# Altium PCB mitosis.PcbDoc (part 1 of 3)
Units mm, origin at the board's own origin, x right, y up, seen from the top; angles counter-clockwise.
Board outline 134.15 x 115.33 mm, 2 copper layers (Top Layer, Bottom Layer), stack 1.671 mm thick; 32 components, 34 nets, 456 pads, 4 vias.
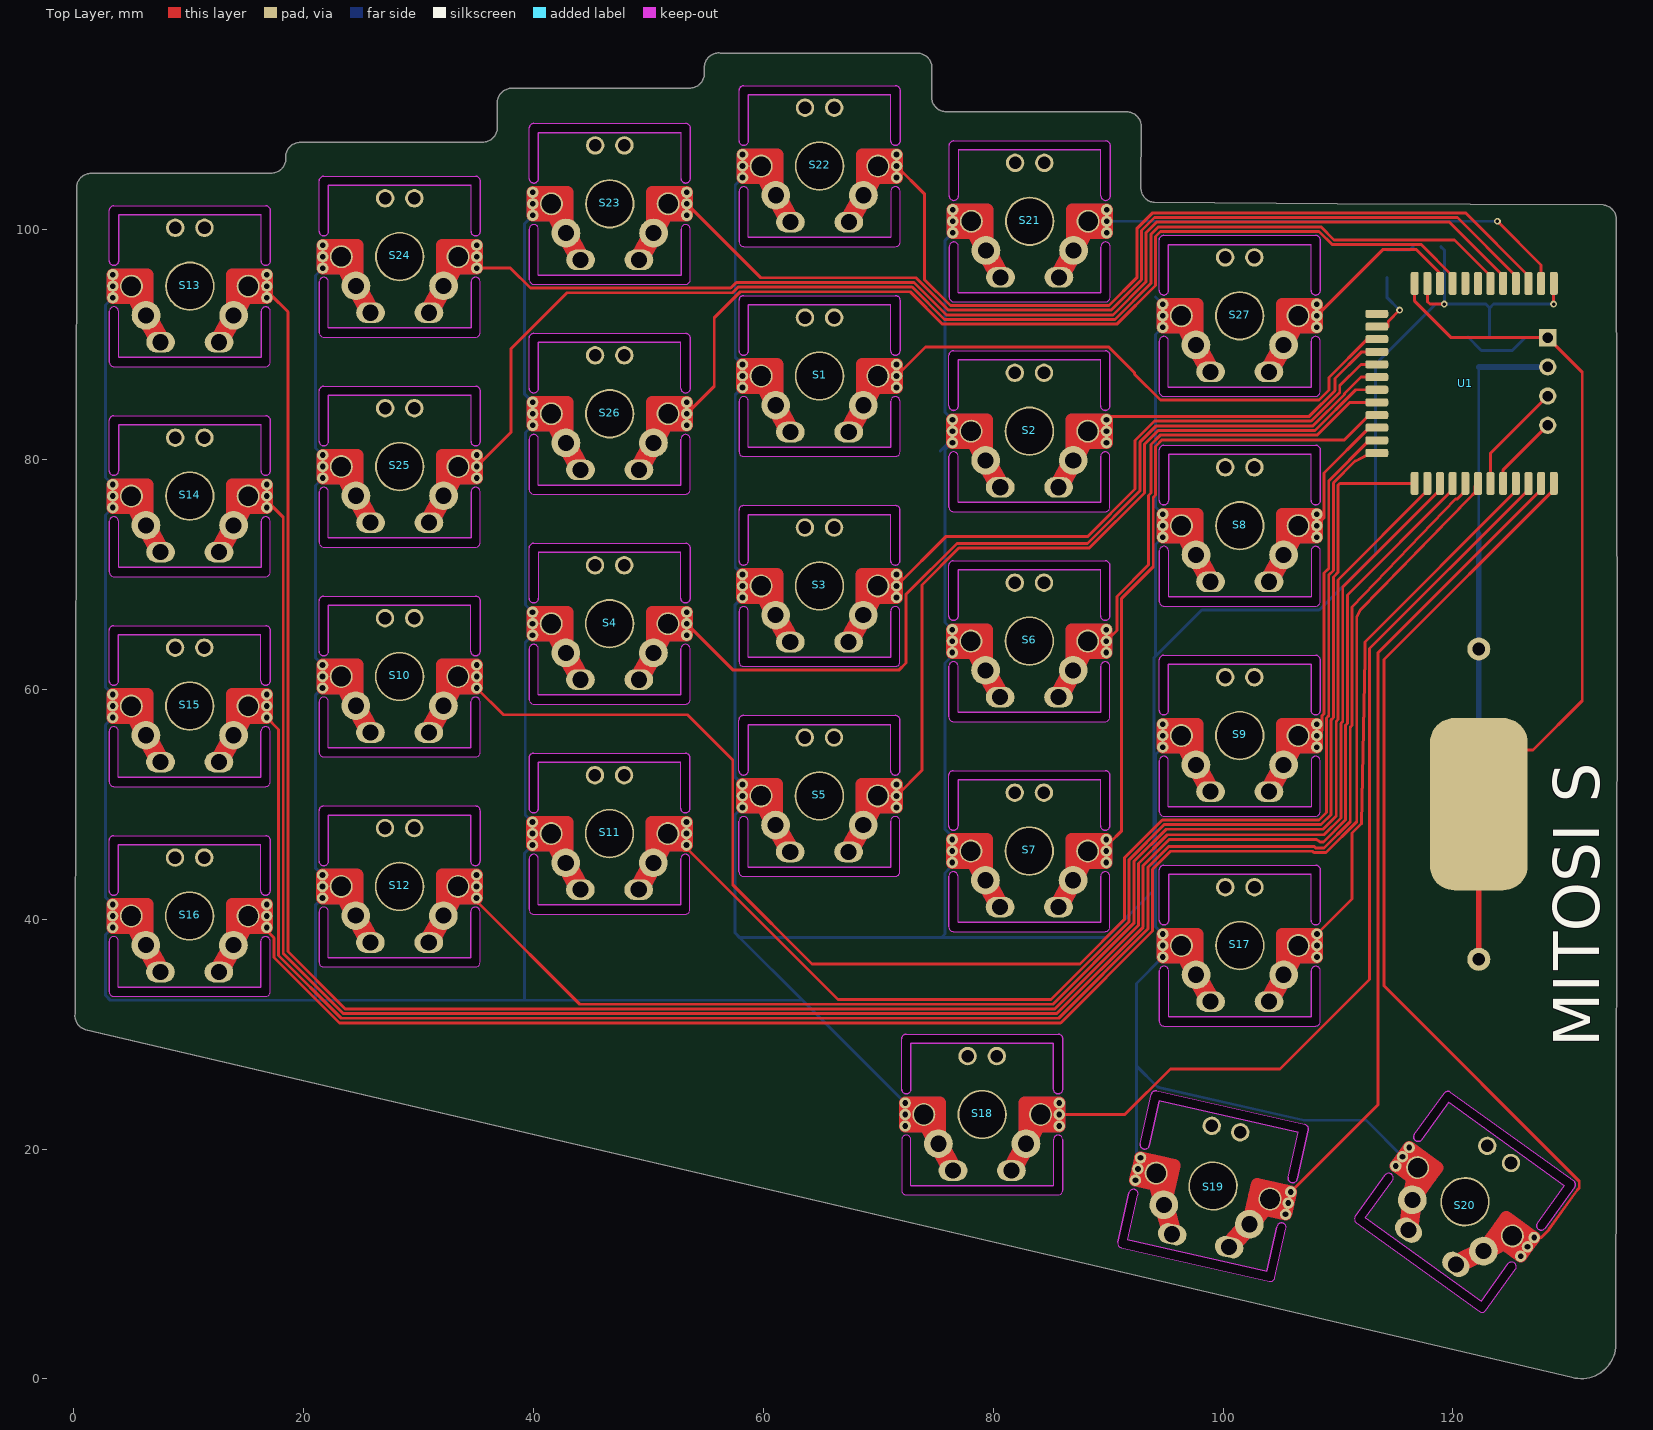
[diagram p0: Top Layer view]
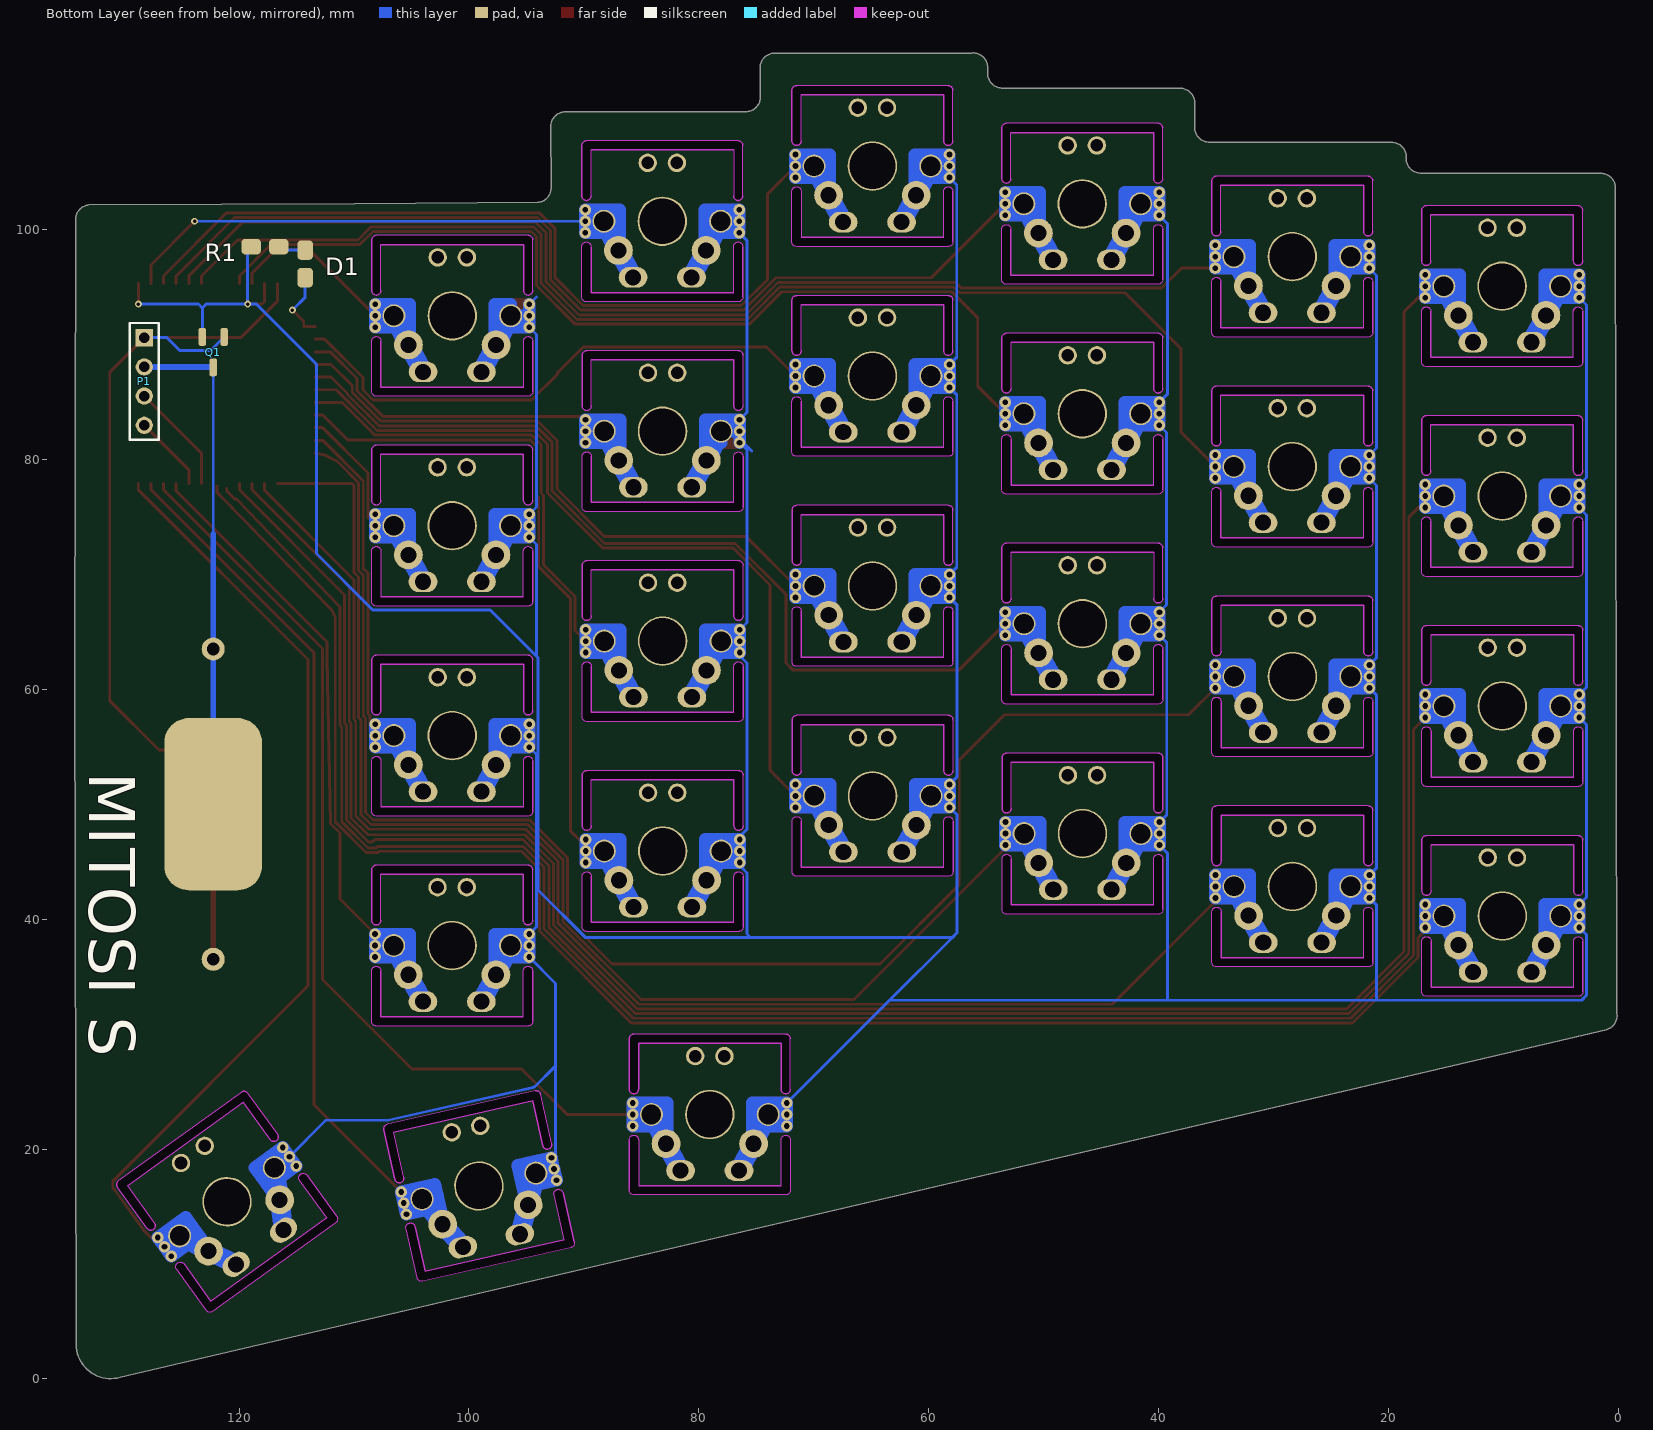
[diagram p1: Bottom Layer view, seen from below]

## Layer stack, top to bottom
Top Solder: solder mask 0.0102, Solder Resist, Dk 3.5
Top Layer: signal copper 0.0356
Dielectric1: core 1.6, FR-4, Dk 4.8
Bottom Layer: signal copper 0.0356
Bottom Solder: solder mask 0.0102, Solder Resist, Dk 3.5

## Board outline
1.051,30.376 cw(c1.396,31.598) 0.133,31.726 0.268,103.734 cw(c1.532,103.606) 1.66,104.869 17.076,104.899 ccw(c17.205,106.163) 18.468,106.034 18.468,106.434 cw(c19.732,106.306) 19.86,107.569 35.476,107.599 ccw(c35.605,108.863) 36.868,108.734 36.868,111.134 cw(c38.132,111.006) 38.26,112.269 53.476,112.299 ccw(c53.605,113.563) 54.868,113.434 54.883,114.208 cw(c56.146,114.08) 56.274,115.343 73.542,115.32 cw(c73.414,114.056) 74.677,113.928 74.659,111.641 ccw(c75.922,111.512) 75.794,110.249 91.742,110.22 cw(c91.614,108.956) 92.877,108.828 92.859,103.741 ccw(c94.122,103.612) 93.994,102.349 109.956,102.223 133.068,102.134 cw(c132.94,100.871) 134.203,100.742 134.277,61.828 134.168,2.734 cw(c131.168,3.039) 130.347,0.137

## Design rules (kind name [scope] priority, off if disabled: settings)
Clearance [All] p1: gap=0.152 ignorepadtopadclearanceinfootprint=FALSE except(0: Arc-Hole Track-Hole SMDPad-Hole THPad-Hole Via-Hole Fill-Hole Poly-Hole Region-Hole Text-Hole)
ComponentClearance nrf_clearance [(HasFootprint('Core51822 (B)'))] p1: gap=0 collisioncheckmode=3 verticalgap=0 showdistances=FALSE
ComponentClearance ComponentClearance_1 [All] p2: gap=0.254 collisioncheckmode=3 verticalgap=0.254 showdistances=FALSE
HoleSize [All] p1: absolutevalues=TRUE maxlimit=6.3 minlimit=0.3 maxpercent=80.000 minpercent=20.000
HoleToHoleClearance [All] p1: gap=0.29 allowstackedmicrovias=TRUE
MinimumSolderMaskSliver [All] p1: minsoldermaskwidth=0.089
PolygonConnect [All] p1: connectstyle=Relief reliefconductorwidth=0.254 reliefentries=4 polygonreliefangle="90 Angle" airgapwidth=0.254
RoomDefinition mitosis [InComponentClass('mitosis')] p1: confinementstyle=ConfineOut formatcopy=TRUE lockcomponents=FALSE outline -57.899,-76.736 -7.359,-81.869 -4.792,-56.599 -55.332,-51.466
RoutingVias [All] p1: holewidth=0.3 width=0.6 viastyle="Through Hole" minholewidth=0.3 minwidth=0.6 maxholewidth=6.3 maxwidth=12
SilkToSolderMaskClearance [IsPad] p1: minsilkscreentomaskgap=0.1 clearancetoexposedcopper=TRUE
SolderMaskExpansion [All] p1: expansion=0.102 istentingtop=FALSE
Width [All] p1: maxlimit=10 minlimit=0.152 preferedwidth=0.254
25 further rules are at their usual default settings.

## Classes and differential pairs
component class mitosis: D1 P1 Q1 R1 S1 S2 S3 S8 S9 S10 S11 S12 S13 S14 S15 S16 S17 S18 S19 S20 S21 S22 S23 S24 S25 S26 S27 U1

## Components (designator, comment, footprint, x,y, rotation, side; value= is the part's Value field where it differs from the comment)
D1 "0603" RESC2012X06N 114.25,97 r270 bottom
P1 "Header 4" HDR1X4 128.25,90.58 r270 bottom
Q1 "SI2302" SOT-23 122.25,89.325 r270 bottom
R1 "0603" RESC2012X06N 117.75,98.5 r180 bottom
S1 "CHERRY MX" cherry#1 64.9,87.245 r0 top
S2 "CHERRY MX" cherry#2 83.159,82.446 r0 top
S3 "CHERRY MX" cherry#3 64.895,68.982 r0 top
S4 "CHERRY MX" cherry#3 46.64,65.7 r0 top
S5 "CHERRY MX" cherry#3 64.889,50.719 r0 top
S6 "CHERRY MX" cherry#3 83.153,64.183 r0 top
S7 "CHERRY MX" cherry#4 83.148,45.92 r0 top
S8 "CHERRY MX" cherry#5 101.462,74.224 r0 top
S9 "CHERRY MX" cherry#6 101.456,55.961 r0 top
S10 "CHERRY MX" cherry#3 28.37,61.103 r0 top
S11 "CHERRY MX" cherry#7 46.63,47.437 r0 top
S12 "CHERRY MX" cherry#8 28.366,42.84 r0 top
S13 "CHERRY MX" cherry#9 10.12,95.061 r0 top
S14 "CHERRY MX" cherry#3 10.114,76.798 r0 top
S15 "CHERRY MX" cherry#9 10.109,58.535 r0 top
S16 "CHERRY MX" cherry#1 10.103,40.272 r0 top
S17 "CHERRY MX" cherry#10 101.466,37.696 r0 top
S18 "CHERRY MX" cherry#11 79.05,23 r0 top
S19 "CHERRY MX" cherry#12 99.135,16.778 r347.2 top
S20 "CHERRY MX" cherry#13 121.048,15.409 r324.2 top
S21 "CHERRY MX" cherry#3 83.185,100.708 r0 top
S22 "CHERRY MX" cherry#1 64.906,105.508 r0 top
S23 "CHERRY MX" cherry#9 46.651,102.226 r0 top
S24 "CHERRY MX" cherry#14 28.38,97.629 r0 top
S25 "CHERRY MX" cherry#15 28.38,79.366 r0 top
S26 "CHERRY MX" cherry#16 46.645,83.963 r0 top
S27 "CHERRY MX" cherry#17 101.455,92.487 r0 top
U1 "Core51822 (B)" "Core51822 (B)" 134.375,86.6 r270 top locked

## Footprints (in the part's own frame and the unit in brackets; to place one, negate y for a bottom-side part, rotate by r counter-clockwise, add the part's x,y. Pads: shape width x height; smd on the part's side, far side on the other; paste and mask are expansions set on the pad)
cherry#1 [mm]
  round 1.6 hole 1.1: 0(-1.27,5.08) 0(1.27,5.08)
  round 4.3 hole 3.988: 0(0,0)
  round 2.5 hole 1.4: 1(-3.81,-2.54) 2(3.81,-2.54)
  oval 2.5x1.8 hole 1.4: 3(-2.54,-4.877) 4(2.54,-4.877)
  round 2 hole 1.702: 5(-5.08,0) 6(5.08,0)
  round 1 hole 0.5 mask+0.05: 7(-6.7,1) 8(6.7,1) 9(-6.7,0) 10(6.7,0) 11(-6.7,-1) 12(6.7,-1)
  Top Layer lines w1.1: -4.3,-1 -4.58,-1 ; 4.3,-1 4.58,-1 ; -6.7,-1 -5.08,-1 ; -6.7,-1 -5.08,-1 ; -6.7,-1 -5.08,-1 ; -6.7,-1 -5.08,-1 ; -6.7,-1 -5.08,-1 ; -6.7,-1 -5.08,-1 ; -6.7,-1 -5.08,-1 ; -6.7,-1 -5.08,-1 ; -6.7,-1 -6.7,0 ; -6.7,0 -5.08,0 ; -6.7,0 -5.08,0 ; -6.7,0 -5.08,0 ; -6.7,0 -5.08,0 ; -6.7,0 -5.08,0 ; -6.7,0 -5.08,0 ; -6.7,0 -5.08,0 ; -6.7,0 -5.08,0 ; -6.7,0 -6.7,1 ; -6.7,1 -5.08,1 ; -6.7,1 -5.08,1 ; -6.7,1 -5.08,1 ; -6.7,1 -5.08,1 ; -6.7,1 -5.08,1 ; -6.7,1 -5.08,1 ; -6.7,1 -5.08,1 ; -6.7,1 -5.08,1 ; -5.08,-1 -4.58,-1 ; -5.08,-1 -4.58,-1 ; -5.08,-1 -4.58,-1 ; -5.08,-1 -4.58,-1 ; -5.08,-1 -4.58,-1 ; -5.08,-1 -4.58,-1 ; -5.08,-1 -4.58,-1 ; -5.08,-1 -4.58,-1 ; -5.08,1 -3.7,1 ; -5.08,1 -3.7,1 ; -5.08,1 -3.7,1 ; -5.08,1 -3.7,1 ; -5.08,1 -3.7,1 ; -5.08,1 -3.7,1 ; -5.08,1 -3.7,1 ; -5.08,1 -3.7,1 ; -3.7,0 -3.7,1 ; -3.7,0 -3.7,1 ; -3.7,0 -3.7,1 ; -3.7,0 -3.7,1 ; -3.7,0 -3.7,1 ; -3.7,0 -3.7,1 ; -3.7,0 -3.7,0 ; -3.7,0 -3.7,0 ; -3.7,0 -3.7,0 ; -3.7,0 -3.7,1 ; -3.7,0 -3.7,1 ; -3.7,0 -3.7,0 ; -3.7,0 -3.7,0 ; -3.7,0 -3.7,0 ; -3.7,0 -3.7,0 ; -3.7,0 -3.7,0 ; -3.7,0 -3.7,-1.9 -3.7,0 ; 3.7,-1.9 3.7,0 ; 3.7,-1.9 3.7,0 ; 3.7,-1.9 3.7,0 ; 3.7,-1.9 3.7,0 ; 3.7,-1.9 3.7,0 ; 3.7,-1.9 3.7,0 ; 3.7,-1.9 3.7,0 ; 3.7,-1.9 3.7,0 ; 3.7,0 3.7,1 ; 3.7,0 3.7,1 ; 3.7,0 3.7,1 ; 3.7,0 3.7,1 ; 3.7,0 3.7,1 ; 3.7,0 3.7,1 ; 3.7,0 3.7,1 ; 3.7,0 3.7,1 ; 3.7,1 5.08,1 ; 3.7,1 5.08,1 ; 3.7,1 5.08,1 ; 3.7,1 5.08,1 ; 3.7,1 5.08,1 ; 3.7,1 5.08,1 ; 3.7,1 5.08,1 ; 3.7,1 5.08,1 ; 4.58,-1 5.08,-1 ; 4.58,-1 5.08,-1 ; 4.58,-1 5.08,-1 ; 4.58,-1 5.08,-1 ; 4.58,-1 5.08,-1 ; 4.58,-1 5.08,-1 ; 4.58,-1 5.08,-1 ; 4.58,-1 5.08,-1 ; 5.08,-1 6.7,-1 ; 5.08,-1 6.7,-1 ; 5.08,-1 6.7,-1 ; 5.08,-1 6.7,-1 ; 5.08,-1 6.7,-1 ; 5.08,-1 6.7,-1 ; 5.08,-1 6.7,-1 ; 5.08,-1 6.7,-1 ; 5.08,0 6.7,0 ; 5.08,0 6.7,0 ; 5.08,0 6.7,0 ; 5.08,0 6.7,0 ; 5.08,0 6.7,0 ; 5.08,0 6.7,0 ; 5.08,0 6.7,0 ; 5.08,0 6.7,0 ; 5.08,1 6.7,1 ; 5.08,1 6.7,1 ; 5.08,1 6.7,1 ; 5.08,1 6.7,1 ; 5.08,1 6.7,1 ; 5.08,1 6.7,1 ; 5.08,1 6.7,1 ; 5.08,1 6.7,1 ; 6.7,-1 6.7,0 ; 6.7,0 6.7,1
  Top Layer lines w1.7: -5.08,0 -4.58,-1 -3.81,-2.54 -2.54,-4.877 ; 2.54,-4.877 3.81,-2.54 4.58,-1 5.08,0
  Bottom Layer lines w1.1: -4.3,-1 -4.58,-1 ; 4.3,-1 4.58,-1 ; -6.7,-1 -5.08,-1 ; -6.7,-1 -5.08,-1 ; -6.7,-1 -5.08,-1 ; -6.7,-1 -5.08,-1 ; -6.7,-1 -5.08,-1 ; -6.7,-1 -5.08,-1 ; -6.7,-1 -5.08,-1 ; -6.7,-1 -5.08,-1 ; -6.7,-1 -6.7,0 ; -6.7,0 -5.08,0 ; -6.7,0 -5.08,0 ; -6.7,0 -5.08,0 ; -6.7,0 -5.08,0 ; -6.7,0 -5.08,0 ; -6.7,0 -5.08,0 ; -6.7,0 -5.08,0 ; -6.7,0 -5.08,0 ; -6.7,0 -6.7,1 ; -6.7,1 -5.08,1 ; -6.7,1 -5.08,1 ; -6.7,1 -5.08,1 ; -6.7,1 -5.08,1 ; -6.7,1 -5.08,1 ; -6.7,1 -5.08,1 ; -6.7,1 -5.08,1 ; -6.7,1 -5.08,1 ; -5.08,-1 -4.58,-1 ; -5.08,-1 -4.58,-1 ; -5.08,-1 -4.58,-1 ; -5.08,-1 -4.58,-1 ; -5.08,-1 -4.58,-1 ; -5.08,-1 -4.58,-1 ; -5.08,-1 -4.58,-1 ; -5.08,-1 -4.58,-1 ; -5.08,1 -3.7,1 ; -5.08,1 -3.7,1 ; -5.08,1 -3.7,1 ; -5.08,1 -3.7,1 ; -5.08,1 -3.7,1 ; -5.08,1 -3.7,1 ; -5.08,1 -3.7,1 ; -5.08,1 -3.7,1 ; -3.7,0 -3.7,1 ; -3.7,0 -3.7,1 ; -3.7,0 -3.7,1 ; -3.7,0 -3.7,1 ; -3.7,0 -3.7,1 ; -3.7,0 -3.7,1 ; -3.7,0 -3.7,0 ; -3.7,0 -3.7,0 ; -3.7,0 -3.7,0 ; -3.7,0 -3.7,0 ; -3.7,0 -3.7,1 ; -3.7,0 -3.7,1 ; -3.7,0 -3.7,0 ; -3.7,0 -3.7,0 ; -3.7,0 -3.7,0 ; -3.7,0 -3.7,0 ; -3.7,0 -3.7,-1.9 -3.7,0 ; 3.7,-1.9 3.7,0 ; 3.7,-1.9 3.7,0 ; 3.7,-1.9 3.7,0 ; 3.7,-1.9 3.7,0 ; 3.7,-1.9 3.7,0 ; 3.7,-1.9 3.7,0 ; 3.7,-1.9 3.7,0 ; 3.7,-1.9 3.7,0 ; 3.7,0 3.7,1 ; 3.7,0 3.7,1 ; 3.7,0 3.7,1 ; 3.7,0 3.7,1 ; 3.7,0 3.7,1 ; 3.7,0 3.7,1 ; 3.7,0 3.7,1 ; 3.7,0 3.7,1 ; 3.7,1 5.08,1 ; 3.7,1 5.08,1 ; 3.7,1 5.08,1 ; 3.7,1 5.08,1 ; 3.7,1 5.08,1 ; 3.7,1 5.08,1 ; 3.7,1 5.08,1 ; 3.7,1 5.08,1 ; 4.58,-1 5.08,-1 ; 4.58,-1 5.08,-1 ; 4.58,-1 5.08,-1 ; 4.58,-1 5.08,-1 ; 4.58,-1 5.08,-1 ; 4.58,-1 5.08,-1 ; 4.58,-1 5.08,-1 ; 4.58,-1 5.08,-1 ; 5.08,-1 6.7,-1 ; 5.08,-1 6.7,-1 ; 5.08,-1 6.7,-1 ; 5.08,-1 6.7,-1 ; 5.08,-1 6.7,-1 ; 5.08,-1 6.7,-1 ; 5.08,-1 6.7,-1 ; 5.08,-1 6.7,-1 ; 5.08,0 6.7,0 ; 5.08,0 6.7,0 ; 5.08,0 6.7,0 ; 5.08,0 6.7,0 ; 5.08,0 6.7,0 ; 5.08,0 6.7,0 ; 5.08,0 6.7,0 ; 5.08,0 6.7,0 ; 5.08,1 6.7,1 ; 5.08,1 6.7,1 ; 5.08,1 6.7,1 ; 5.08,1 6.7,1 ; 5.08,1 6.7,1 ; 5.08,1 6.7,1 ; 5.08,1 6.7,1 ; 5.08,1 6.7,1 ; 6.7,-1 6.7,0 ; 6.7,0 6.7,1
  Bottom Layer lines w1.7: -5.08,0 -4.58,-1 -3.81,-2.54 -2.54,-4.877 ; 2.54,-4.877 3.81,-2.54 4.58,-1 5.08,0
  Keep-Out Layer board cut-out: -7,2.2 -7,6.6 -6.97,6.753 -6.883,6.883 -6.753,6.97 -6.6,7 -6.6,7 6.6,7 6.753,6.97 6.883,6.883 6.97,6.753 7,6.6 7,6.6 7,2.2 6.96,2.026 6.849,1.887 6.689,1.81 6.511,1.81 6.351,1.887 6.24,2.026 6.2,2.2 6.2,2.2 6.2,6.2 6.2,6.2 -6.2,6.2 -6.2,6.2 -6.2,2.2 -6.24,2.026 -6.351,1.887 -6.511,1.81 -6.689,1.81 -6.849,1.887 -6.96,2.026 -7,2.2
  Keep-Out Layer board cut-out: -7,-2.2 -7,-6.6 -6.97,-6.753 -6.883,-6.883 -6.753,-6.97 -6.6,-7 -6.6,-7 6.6,-7 6.753,-6.97 6.883,-6.883 6.97,-6.753 7,-6.6 7,-6.6 7,-2.2 6.96,-2.026 6.849,-1.887 6.689,-1.81 6.511,-1.81 6.351,-1.887 6.24,-2.026 6.2,-2.2 6.2,-2.2 6.2,-6.2 6.2,-6.2 -6.2,-6.2 -6.2,-6.2 -6.2,-2.2 -6.24,-2.026 -6.351,-1.887 -6.511,-1.81 -6.689,-1.81 -6.849,-1.887 -6.96,-2.026 -7,-2.2
  Keep-Out Layer lines w0.1: -6.6,7 ccw(c-6.6,6.6) -7,6.6 -7,2.2 ccw(c-6.6,2.2) -6.2,2.2 -6.2,6.2 6.2,6.2 6.2,2.2 ccw(c6.6,2.2) 7,2.2 7,6.6 ccw(c6.6,6.6) 6.6,7 ; -6.6,7 6.6,7 ; -7,-6.6 ccw(c-6.6,-6.6) -6.6,-7 6.6,-7 ccw(c6.6,-6.6) 7,-6.6 7,-2.2 ccw(c6.6,-2.2) 6.2,-2.2 6.2,-6.2 -6.2,-6.2 -6.2,-2.2 ccw(c-6.6,-2.2) -7,-2.2 -7,-6.6
  body extent -9,-9 9,9, height 23
cherry#2 [mm]
  round 1.6 hole 1.1: 0(-1.27,5.08) 0(1.27,5.08)
  round 4.3 hole 3.988: 0(0,0)
  round 2.5 hole 1.4: 1(-3.81,-2.54) 2(3.81,-2.54)
  oval 2.5x1.8 hole 1.4: 3(-2.54,-4.877) 4(2.54,-4.877)
  round 2 hole 1.702: 5(-5.08,0) 6(5.08,0)
  round 1 hole 0.5 mask+0.05: 7(-6.7,1) 8(6.7,1) 9(-6.7,0) 10(6.7,0) 11(-6.7,-1) 12(6.7,-1)
  Top Layer lines w1.1: -4.3,-1 -4.58,-1 ; 4.3,-1 4.58,-1 ; -6.7,-1 -5.08,-1 ; -6.7,-1 -5.08,-1 ; -6.7,-1 -5.08,-1 ; -6.7,-1 -5.08,-1 ; -6.7,-1 -5.08,-1 ; -6.7,-1 -5.08,-1 ; -6.7,-1 -5.08,-1 ; -6.7,-1 -5.08,-1 ; -6.7,-1 -6.7,0 ; -6.7,0 -5.08,0 ; -6.7,0 -5.08,0 ; -6.7,0 -5.08,0 ; -6.7,0 -5.08,0 ; -6.7,0 -5.08,0 ; -6.7,0 -5.08,0 ; -6.7,0 -5.08,0 ; -6.7,0 -5.08,0 ; -6.7,0 -6.7,1 ; -6.7,1 -5.08,1 ; -6.7,1 -5.08,1 ; -6.7,1 -5.08,1 ; -6.7,1 -5.08,1 ; -6.7,1 -5.08,1 ; -6.7,1 -5.08,1 ; -6.7,1 -5.08,1 ; -6.7,1 -5.08,1 ; -5.08,-1 -4.58,-1 ; -5.08,-1 -4.58,-1 ; -5.08,-1 -4.58,-1 ; -5.08,-1 -4.58,-1 ; -5.08,-1 -4.58,-1 ; -5.08,-1 -4.58,-1 ; -5.08,-1 -4.58,-1 ; -5.08,-1 -4.58,-1 ; -5.08,1 -3.7,1 ; -5.08,1 -3.7,1 ; -5.08,1 -3.7,1 ; -5.08,1 -3.7,1 ; -5.08,1 -3.7,1 ; -5.08,1 -3.7,1 ; -5.08,1 -3.7,1 ; -5.08,1 -3.7,1 ; -3.7,-1.9 -3.7,0 ; -3.7,-1.9 -3.7,0 ; -3.7,-1.9 -3.7,0 ; -3.7,-1.9 -3.7,0 ; -3.7,-1.9 -3.7,0 ; -3.7,-1.9 -3.7,0 ; -3.7,-1.9 -3.7,0 ; -3.7,-1.9 -3.7,0 ; -3.7,0 -3.7,1 ; -3.7,0 -3.7,1 ; -3.7,0 -3.7,1 ; -3.7,0 -3.7,1 ; -3.7,0 -3.7,1 ; -3.7,0 -3.7,1 ; -3.7,0 -3.7,1 ; -3.7,0 -3.7,1 ; 3.7,-1.9 3.7,0 ; 3.7,-1.9 3.7,0 ; 3.7,-1.9 3.7,0 ; 3.7,-1.9 3.7,0 ; 3.7,-1.9 3.7,0 ; 3.7,-1.9 3.7,0 ; 3.7,-1.9 3.7,0 ; 3.7,-1.9 3.7,0 ; 3.7,0 3.7,1 ; 3.7,0 3.7,1 ; 3.7,0 3.7,1 ; 3.7,0 3.7,1 ; 3.7,0 3.7,1 ; 3.7,0 3.7,1 ; 3.7,0 3.7,1 ; 3.7,0 3.7,1 ; 3.7,1 5.08,1 ; 3.7,1 5.08,1 ; 3.7,1 5.08,1 ; 3.7,1 5.08,1 ; 3.7,1 5.08,1 ; 3.7,1 5.08,1 ; 3.7,1 5.08,1 ; 3.7,1 5.08,1 ; 4.58,-1 5.08,-1 ; 4.58,-1 5.08,-1 ; 4.58,-1 5.08,-1 ; 4.58,-1 5.08,-1 ; 4.58,-1 5.08,-1 ; 4.58,-1 5.08,-1 ; 4.58,-1 5.08,-1 ; 4.58,-1 5.08,-1 ; 5.08,-1 6.7,-1 ; 5.08,-1 6.7,-1 ; 5.08,-1 6.7,-1 ; 5.08,-1 6.7,-1 ; 5.08,-1 6.7,-1 ; 5.08,-1 6.7,-1 ; 5.08,-1 6.7,-1 ; 5.08,-1 6.7,-1 ; 5.08,0 5.3,0 ; 5.08,0 5.3,0 ; 5.08,0 5.3,0 ; 5.08,0 5.3,0 ; 5.08,1 5.779,1 ; 5.08,1 5.779,1 ; 5.08,1 5.779,1 ; 5.08,1 5.779,1 ; 5.08,1 5.779,1 ; 5.08,1 5.779,1 ; 5.08,1 5.779,1 ; 5.08,1 5.779,1 ; 5.3,0 6.7,0 ; 5.3,0 6.7,0 ; 5.3,0 6.7,0 ; 5.3,0 6.7,0 ; 5.3,0 6.7,0 ; 5.3,0 6.7,0 ; 5.3,0 6.7,0 ; 5.3,0 6.7,0 ; 5.779,1 6.3,1 ; 5.779,1 6.3,1 ; 6.3,1 6.432,1 ; 6.3,1 6.432,1 ; 6.432,1 6.7,1 ; 6.432,1 6.7,1 ; 6.432,1 6.7,1 ; 6.432,1 6.7,1 ; 6.432,1 6.7,1 ; 6.432,1 6.7,1 ; 6.432,1 6.7,1 ; 6.432,1 6.7,1 ; 6.7,-1 6.7,0 ; 6.7,0 6.7,1
  Top Layer lines w1.7: -5.08,0 -4.58,-1 -3.81,-2.54 -2.54,-4.877 ; 2.54,-4.877 3.81,-2.54 4.58,-1 4.86,-0.44 5.08,0
  Bottom Layer lines w0.254: -7.758,-1.728 -7.172,-1.143
  Bottom Layer lines w1.1: -6.7,-1 -6.7,0 ; -4.3,-1 -4.58,-1 ; 4.3,-1 4.58,-1 ; -6.7,0 -5.08,0 ; -6.7,0 -5.08,0 ; -6.7,0 -5.08,0 ; -6.7,0 -5.08,0 ; -6.7,0 -5.08,0 ; -6.7,0 -5.08,0 ; -6.7,0 -5.08,0 ; -6.7,0 -5.08,0 ; -6.7,0 -6.7,1 ; -6.7,1 -5.08,1 ; -6.7,1 -5.08,1 ; -6.7,1 -5.08,1 ; -6.7,1 -5.08,1 ; -6.7,1 -5.08,1 ; -6.7,1 -5.08,1 ; -6.7,1 -5.08,1 ; -6.7,1 -5.08,1 ; -5.08,-1 -4.58,-1 ; -5.08,-1 -4.58,-1 ; -5.08,-1 -4.58,-1 ; -5.08,-1 -4.58,-1 ; -5.08,-1 -4.58,-1 ; -5.08,-1 -4.58,-1 ; -5.08,-1 -4.58,-1 ; -5.08,-1 -4.58,-1 ; -5.08,1 -3.7,1 ; -5.08,1 -3.7,1 ; -5.08,1 -3.7,1 ; -5.08,1 -3.7,1 ; -5.08,1 -3.7,1 ; -5.08,1 -3.7,1 ; -5.08,1 -3.7,1 ; -5.08,1 -3.7,1 ; -3.7,-1.9 -3.7,0 ; -3.7,-1.9 -3.7,0 ; -3.7,-1.9 -3.7,0 ; -3.7,-1.9 -3.7,0 ; -3.7,-1.9 -3.7,0 ; -3.7,-1.9 -3.7,0 ; -3.7,-1.9 -3.7,0 ; -3.7,-1.9 -3.7,0 ; -3.7,0 -3.7,1 ; -3.7,0 -3.7,1 ; -3.7,0 -3.7,1 ; -3.7,0 -3.7,1 ; -3.7,0 -3.7,1 ; -3.7,0 -3.7,1 ; -3.7,0 -3.7,1 ; -3.7,0 -3.7,1 ; 3.7,-1.9 3.7,0 ; 3.7,-1.9 3.7,0 ; 3.7,-1.9 3.7,0 ; 3.7,-1.9 3.7,0 ; 3.7,-1.9 3.7,0 ; 3.7,-1.9 3.7,0 ; 3.7,-1.9 3.7,0 ; 3.7,-1.9 3.7,0 ; 3.7,0 3.7,1 ; 3.7,0 3.7,1 ; 3.7,0 3.7,1 ; 3.7,0 3.7,1 ; 3.7,0 3.7,1 ; 3.7,0 3.7,1 ; 3.7,0 3.7,1 ; 3.7,0 3.7,1 ; 3.7,1 5.08,1 ; 3.7,1 5.08,1 ; 3.7,1 5.08,1 ; 3.7,1 5.08,1 ; 3.7,1 5.08,1 ; 3.7,1 5.08,1 ; 3.7,1 5.08,1 ; 3.7,1 5.08,1 ; 4.58,-1 5.08,-1 ; 4.58,-1 5.08,-1 ; 4.58,-1 5.08,-1 ; 4.58,-1 5.08,-1 ; 4.58,-1 5.08,-1 ; 4.58,-1 5.08,-1 ; 4.58,-1 5.08,-1 ; 4.58,-1 5.08,-1 ; 5.08,-1 6.7,-1 ; 5.08,-1 6.7,-1 ; 5.08,-1 6.7,-1 ; 5.08,-1 6.7,-1 ; 5.08,-1 6.7,-1 ; 5.08,-1 6.7,-1 ; 5.08,-1 6.7,-1 ; 5.08,-1 6.7,-1 ; 5.08,0 6.7,0 ; 5.08,0 6.7,0 ; 5.08,0 6.7,0 ; 5.08,0 6.7,0 ; 5.08,0 6.7,0 ; 5.08,0 6.7,0 ; 5.08,0 6.7,0 ; 5.08,0 6.7,0 ; 5.08,1 6.7,1 ; 5.08,1 6.7,1 ; 5.08,1 6.7,1 ; 5.08,1 6.7,1 ; 5.08,1 6.7,1 ; 5.08,1 6.7,1 ; 5.08,1 6.7,1 ; 5.08,1 6.7,1 ; 6.7,-1 6.7,0 ; 6.7,0 6.7,1
  Bottom Layer lines w1.7: -5.08,0 -4.58,-1 -3.81,-2.54 -2.54,-4.877 ; 2.54,-4.877 3.81,-2.54 4.58,-1 5.08,0
  Keep-Out Layer board cut-out: -7,-2.2 -7,-6.6 -6.97,-6.753 -6.883,-6.883 -6.753,-6.97 -6.6,-7 -6.6,-7 6.6,-7 6.753,-6.97 6.883,-6.883 6.97,-6.753 7,-6.6 7,-6.6 7,-2.2 6.96,-2.026 6.849,-1.887 6.689,-1.81 6.511,-1.81 6.351,-1.887 6.24,-2.026 6.2,-2.2 6.2,-2.2 6.2,-6.2 6.2,-6.2 -6.2,-6.2 -6.2,-6.2 -6.2,-2.2 -6.24,-2.026 -6.351,-1.887 -6.511,-1.81 -6.689,-1.81 -6.849,-1.887 -6.96,-2.026 -7,-2.2
  Keep-Out Layer board cut-out: -7,2.2 -7,6.6 -6.97,6.753 -6.883,6.883 -6.753,6.97 -6.6,7 -6.6,7 6.6,7 6.753,6.97 6.883,6.883 6.97,6.753 7,6.6 7,6.6 7,2.2 6.96,2.026 6.849,1.887 6.689,1.81 6.511,1.81 6.351,1.887 6.24,2.026 6.2,2.2 6.2,2.2 6.2,6.2 6.2,6.2 -6.2,6.2 -6.2,6.2 -6.2,2.2 -6.24,2.026 -6.351,1.887 -6.511,1.81 -6.689,1.81 -6.849,1.887 -6.96,2.026 -7,2.2
  Keep-Out Layer lines w0.1: -7,-6.6 ccw(c-6.6,-6.6) -6.6,-7 6.6,-7 ccw(c6.6,-6.6) 7,-6.6 7,-2.2 ccw(c6.6,-2.2) 6.2,-2.2 6.2,-6.2 -6.2,-6.2 -6.2,-2.2 ccw(c-6.6,-2.2) -7,-2.2 -7,-6.6 ; -7,2.2 ccw(c-6.6,2.2) -6.2,2.2 -6.2,6.2 6.2,6.2 6.2,2.2 ccw(c6.6,2.2) 7,2.2 7,6.6 ccw(c6.6,6.6) 6.6,7 -6.6,7 ccw(c-6.6,6.6) -7,6.6 -7,2.2
  body extent -9,-9 9,9, height 23
cherry#3 [mm]
  round 1.6 hole 1.1: 0(-1.27,5.08) 0(1.27,5.08)
  round 4.3 hole 3.988: 0(0,0)
  round 2.5 hole 1.4: 1(-3.81,-2.54) 2(3.81,-2.54)
  oval 2.5x1.8 hole 1.4: 3(-2.54,-4.877) 4(2.54,-4.877)
  round 2 hole 1.702: 5(-5.08,0) 6(5.08,0)
  round 1 hole 0.5 mask+0.05: 7(-6.7,1) 8(6.7,1) 9(-6.7,0) 10(6.7,0) 11(-6.7,-1) 12(6.7,-1)
  Top Layer lines w1.1: -4.3,-1 -4.58,-1 ; 4.3,-1 4.58,-1 ; -6.7,-1 -5.08,-1 ; -6.7,-1 -5.08,-1 ; -6.7,-1 -5.08,-1 ; -6.7,-1 -5.08,-1 ; -6.7,-1 -5.08,-1 ; -6.7,-1 -5.08,-1 ; -6.7,-1 -5.08,-1 ; -6.7,-1 -5.08,-1 ; -6.7,-1 -6.7,0 ; -6.7,0 -5.08,0 ; -6.7,0 -5.08,0 ; -6.7,0 -5.08,0 ; -6.7,0 -5.08,0 ; -6.7,0 -5.08,0 ; -6.7,0 -5.08,0 ; -6.7,0 -5.08,0 ; -6.7,0 -5.08,0 ; -6.7,0 -6.7,1 ; -6.7,1 -5.08,1 ; -6.7,1 -5.08,1 ; -6.7,1 -5.08,1 ; -6.7,1 -5.08,1 ; -6.7,1 -5.08,1 ; -6.7,1 -5.08,1 ; -6.7,1 -5.08,1 ; -6.7,1 -5.08,1 ; -5.08,-1 -4.58,-1 ; -5.08,-1 -4.58,-1 ; -5.08,-1 -4.58,-1 ; -5.08,-1 -4.58,-1 ; -5.08,-1 -4.58,-1 ; -5.08,-1 -4.58,-1 ; -5.08,-1 -4.58,-1 ; -5.08,-1 -4.58,-1 ; -5.08,1 -3.7,1 ; -5.08,1 -3.7,1 ; -5.08,1 -3.7,1 ; -5.08,1 -3.7,1 ; -5.08,1 -3.7,1 ; -5.08,1 -3.7,1 ; -5.08,1 -3.7,1 ; -5.08,1 -3.7,1 ; -3.7,-1.9 -3.7,0 ; -3.7,-1.9 -3.7,0 ; -3.7,-1.9 -3.7,0 ; -3.7,-1.9 -3.7,0 ; -3.7,-1.9 -3.7,0 ; -3.7,-1.9 -3.7,0 ; -3.7,-1.9 -3.7,0 ; -3.7,-1.9 -3.7,0 ; -3.7,0 -3.7,1 ; -3.7,0 -3.7,1 ; -3.7,0 -3.7,1 ; -3.7,0 -3.7,1 ; -3.7,0 -3.7,1 ; -3.7,0 -3.7,1 ; -3.7,0 -3.7,1 ; -3.7,0 -3.7,1 ; 3.7,-1.9 3.7,0 ; 3.7,-1.9 3.7,0 ; 3.7,-1.9 3.7,0 ; 3.7,-1.9 3.7,0 ; 3.7,-1.9 3.7,0 ; 3.7,-1.9 3.7,0 ; 3.7,-1.9 3.7,0 ; 3.7,-1.9 3.7,0 ; 3.7,0 3.7,1 ; 3.7,0 3.7,1 ; 3.7,0 3.7,1 ; 3.7,0 3.7,1 ; 3.7,0 3.7,1 ; 3.7,0 3.7,1 ; 3.7,0 3.7,1 ; 3.7,0 3.7,1 ; 3.7,1 5.08,1 ; 3.7,1 5.08,1 ; 3.7,1 5.08,1 ; 3.7,1 5.08,1 ; 3.7,1 5.08,1 ; 3.7,1 5.08,1 ; 3.7,1 5.08,1 ; 3.7,1 5.08,1 ; 4.58,-1 5.08,-1 ; 4.58,-1 5.08,-1 ; 4.58,-1 5.08,-1 ; 4.58,-1 5.08,-1 ; 4.58,-1 5.08,-1 ; 4.58,-1 5.08,-1 ; 4.58,-1 5.08,-1 ; 4.58,-1 5.08,-1 ; 5.08,-1 6.7,-1 ; 5.08,-1 6.7,-1 ; 5.08,-1 6.7,-1 ; 5.08,-1 6.7,-1 ; 5.08,-1 6.7,-1 ; 5.08,-1 6.7,-1 ; 5.08,-1 6.7,-1 ; 5.08,-1 6.7,-1 ; 5.08,0 6.7,0 ; 5.08,0 6.7,0 ; 5.08,0 6.7,0 ; 5.08,0 6.7,0 ; 5.08,0 6.7,0 ; 5.08,0 6.7,0 ; 5.08,0 6.7,0 ; 5.08,0 6.7,0 ; 5.08,1 6.7,1 ; 5.08,1 6.7,1 ; 5.08,1 6.7,1 ; 5.08,1 6.7,1 ; 5.08,1 6.7,1 ; 5.08,1 6.7,1 ; 5.08,1 6.7,1 ; 5.08,1 6.7,1 ; 6.7,-1 6.7,0 ; 6.7,0 6.7,1
  Top Layer lines w1.7: -5.08,0 -4.58,-1 -3.81,-2.54 -2.54,-4.877 ; 2.54,-4.877 3.81,-2.54 4.58,-1 5.08,0
  Bottom Layer lines w1.1: -4.3,-1 -4.58,-1 ; 4.3,-1 4.58,-1 ; -6.7,-1 -5.08,-1 ; -6.7,-1 -5.08,-1 ; -6.7,-1 -5.08,-1 ; -6.7,-1 -5.08,-1 ; -6.7,-1 -5.08,-1 ; -6.7,-1 -5.08,-1 ; -6.7,-1 -5.08,-1 ; -6.7,-1 -5.08,-1 ; -6.7,-1 -6.7,0 ; -6.7,0 -5.08,0 ; -6.7,0 -5.08,0 ; -6.7,0 -5.08,0 ; -6.7,0 -5.08,0 ; -6.7,0 -5.08,0 ; -6.7,0 -5.08,0 ; -6.7,0 -5.08,0 ; -6.7,0 -5.08,0 ; -6.7,0 -6.7,1 ; -6.7,1 -5.08,1 ; -6.7,1 -5.08,1 ; -6.7,1 -5.08,1 ; -6.7,1 -5.08,1 ; -6.7,1 -5.08,1 ; -6.7,1 -5.08,1 ; -6.7,1 -5.08,1 ; -6.7,1 -5.08,1 ; -5.08,-1 -4.58,-1 ; -5.08,-1 -4.58,-1 ; -5.08,-1 -4.58,-1 ; -5.08,-1 -4.58,-1 ; -5.08,-1 -4.58,-1 ; -5.08,-1 -4.58,-1 ; -5.08,-1 -4.58,-1 ; -5.08,-1 -4.58,-1 ; -5.08,1 -3.7,1 ; -5.08,1 -3.7,1 ; -5.08,1 -3.7,1 ; -5.08,1 -3.7,1 ; -5.08,1 -3.7,1 ; -5.08,1 -3.7,1 ; -5.08,1 -3.7,1 ; -5.08,1 -3.7,1 ; -3.7,-1.9 -3.7,0 ; -3.7,-1.9 -3.7,0 ; -3.7,-1.9 -3.7,0 ; -3.7,-1.9 -3.7,0 ; -3.7,-1.9 -3.7,0 ; -3.7,-1.9 -3.7,0 ; -3.7,-1.9 -3.7,0 ; -3.7,-1.9 -3.7,0 ; -3.7,0 -3.7,1 ; -3.7,0 -3.7,1 ; -3.7,0 -3.7,1 ; -3.7,0 -3.7,1 ; -3.7,0 -3.7,1 ; -3.7,0 -3.7,1 ; -3.7,0 -3.7,1 ; -3.7,0 -3.7,1 ; 3.7,-1.9 3.7,0 ; 3.7,-1.9 3.7,0 ; 3.7,-1.9 3.7,0 ; 3.7,-1.9 3.7,0 ; 3.7,-1.9 3.7,0 ; 3.7,-1.9 3.7,0 ; 3.7,-1.9 3.7,0 ; 3.7,-1.9 3.7,0 ; 3.7,0 3.7,1 ; 3.7,0 3.7,1 ; 3.7,0 3.7,1 ; 3.7,0 3.7,1 ; 3.7,0 3.7,1 ; 3.7,0 3.7,1 ; 3.7,0 3.7,1 ; 3.7,0 3.7,1 ; 3.7,1 5.08,1 ; 3.7,1 5.08,1 ; 3.7,1 5.08,1 ; 3.7,1 5.08,1 ; 3.7,1 5.08,1 ; 3.7,1 5.08,1 ; 3.7,1 5.08,1 ; 3.7,1 5.08,1 ; 4.58,-1 5.08,-1 ; 4.58,-1 5.08,-1 ; 4.58,-1 5.08,-1 ; 4.58,-1 5.08,-1 ; 4.58,-1 5.08,-1 ; 4.58,-1 5.08,-1 ; 4.58,-1 5.08,-1 ; 4.58,-1 5.08,-1 ; 5.08,-1 6.7,-1 ; 5.08,-1 6.7,-1 ; 5.08,-1 6.7,-1 ; 5.08,-1 6.7,-1 ; 5.08,-1 6.7,-1 ; 5.08,-1 6.7,-1 ; 5.08,-1 6.7,-1 ; 5.08,-1 6.7,-1 ; 5.08,0 6.7,0 ; 5.08,0 6.7,0 ; 5.08,0 6.7,0 ; 5.08,0 6.7,0 ; 5.08,0 6.7,0 ; 5.08,0 6.7,0 ; 5.08,0 6.7,0 ; 5.08,0 6.7,0 ; 5.08,1 6.7,1 ; 5.08,1 6.7,1 ; 5.08,1 6.7,1 ; 5.08,1 6.7,1 ; 5.08,1 6.7,1 ; 5.08,1 6.7,1 ; 5.08,1 6.7,1 ; 5.08,1 6.7,1 ; 6.7,-1 6.7,0 ; 6.7,0 6.7,1